# KiCad board PA26-1.kicad_pcb
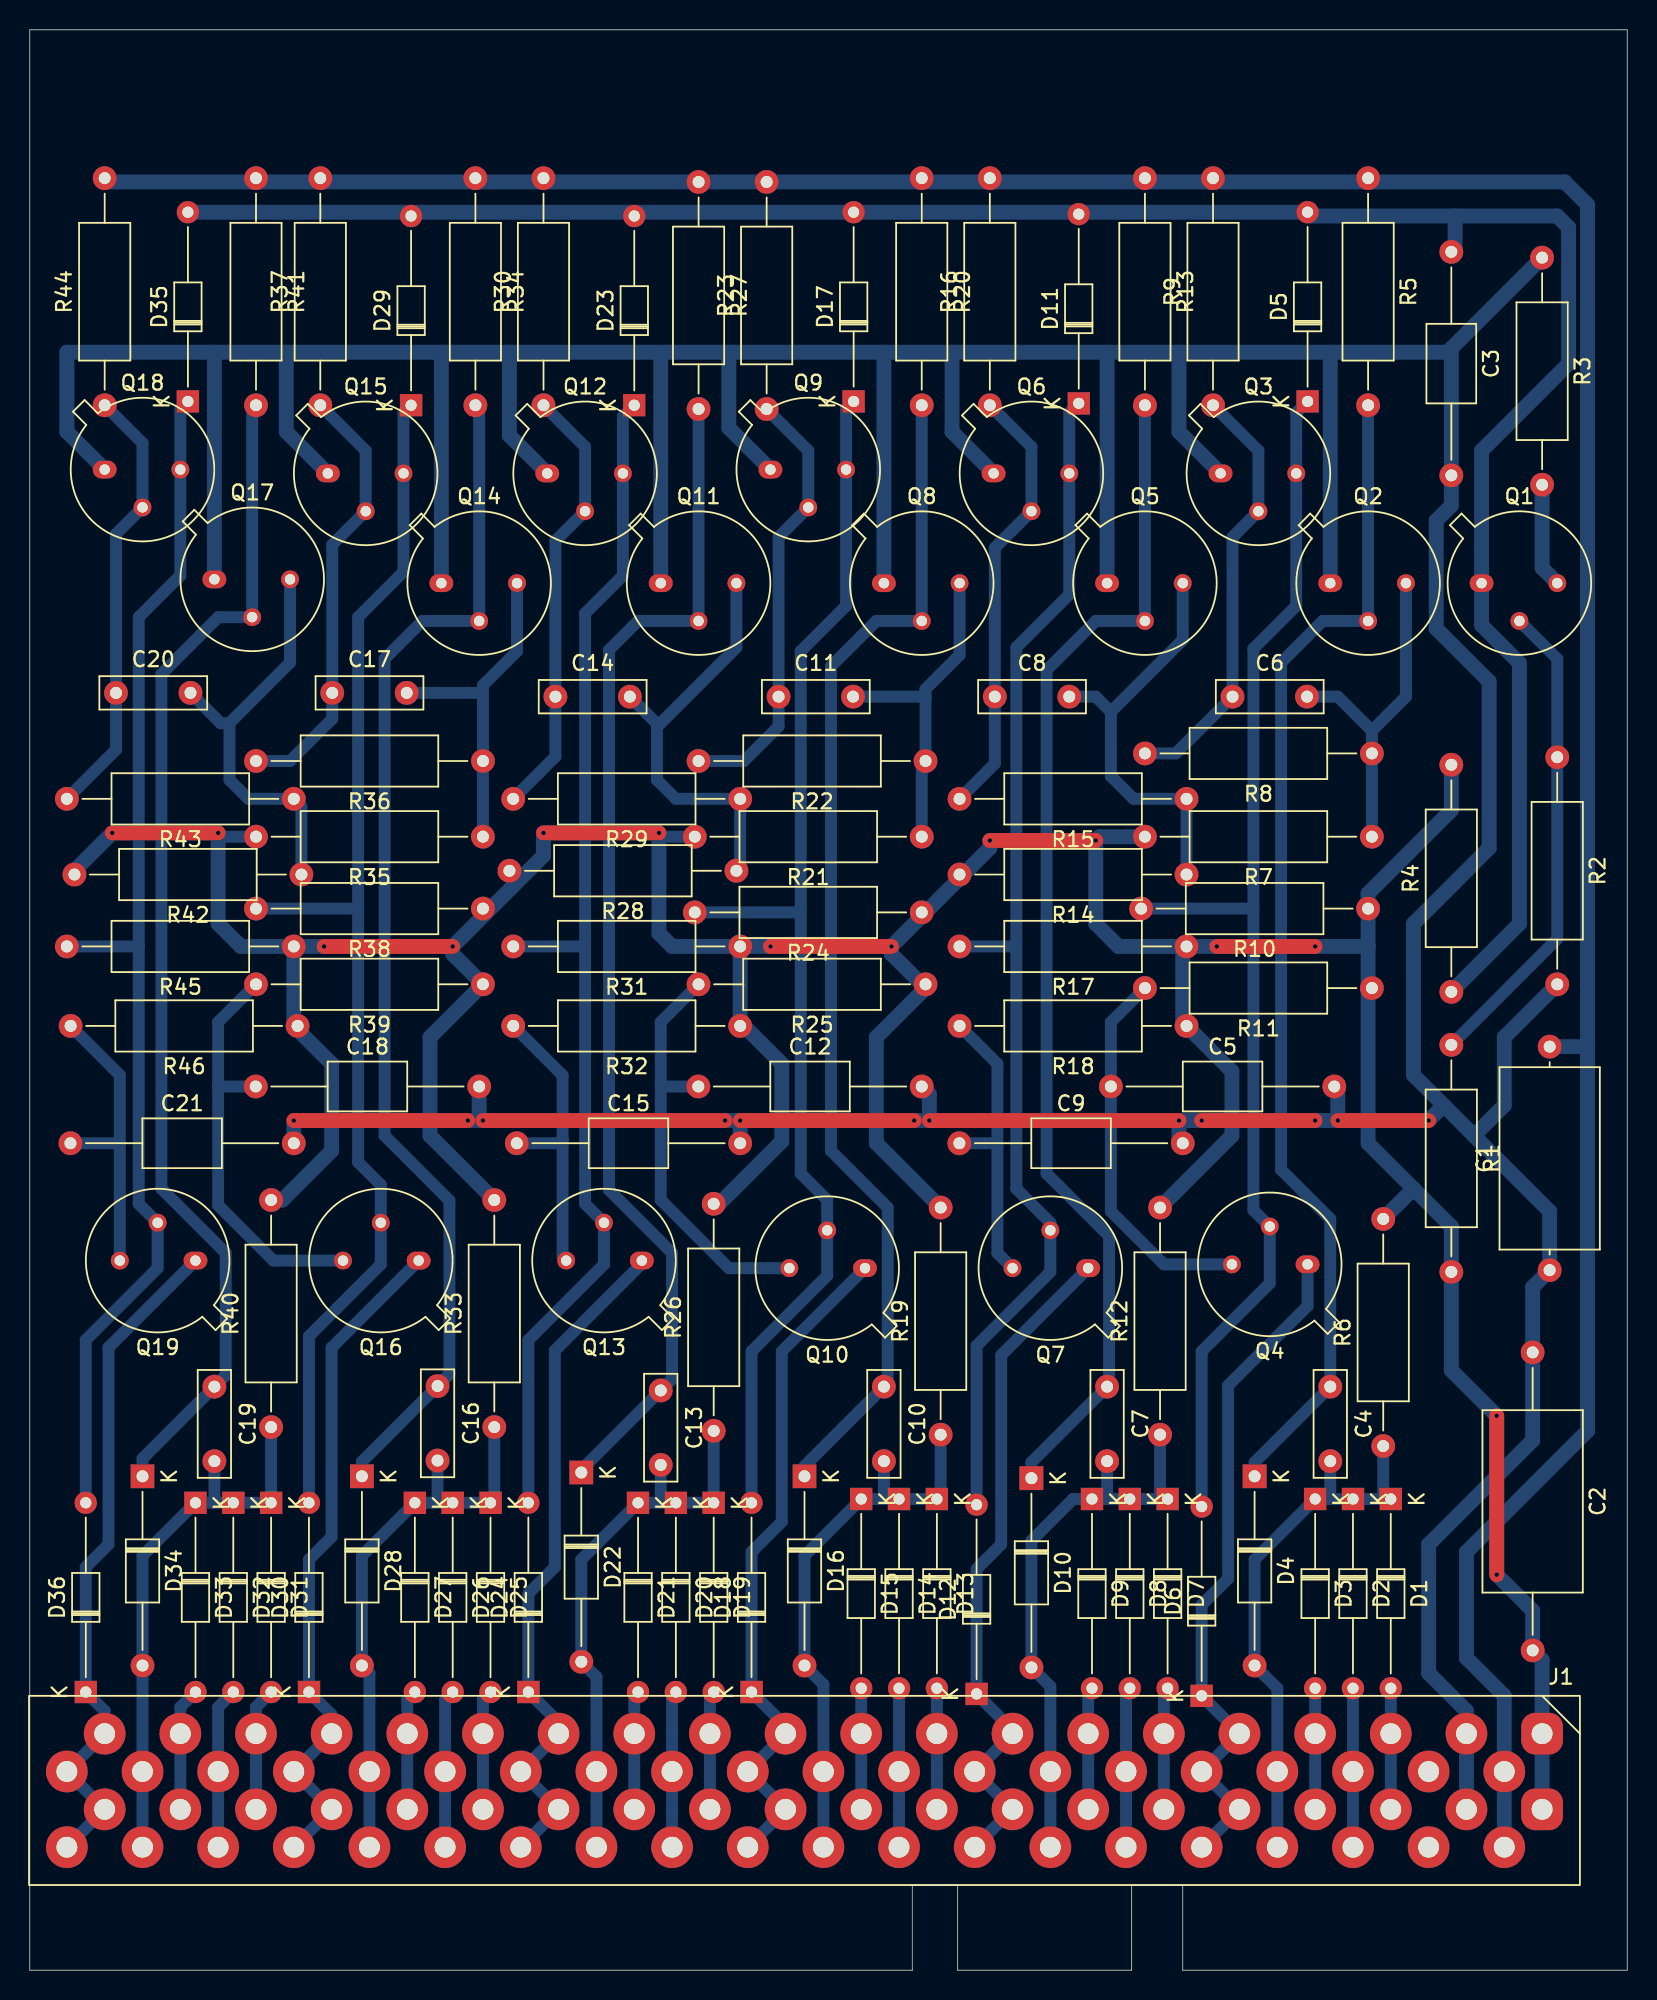
[diagram p0: board, top side]
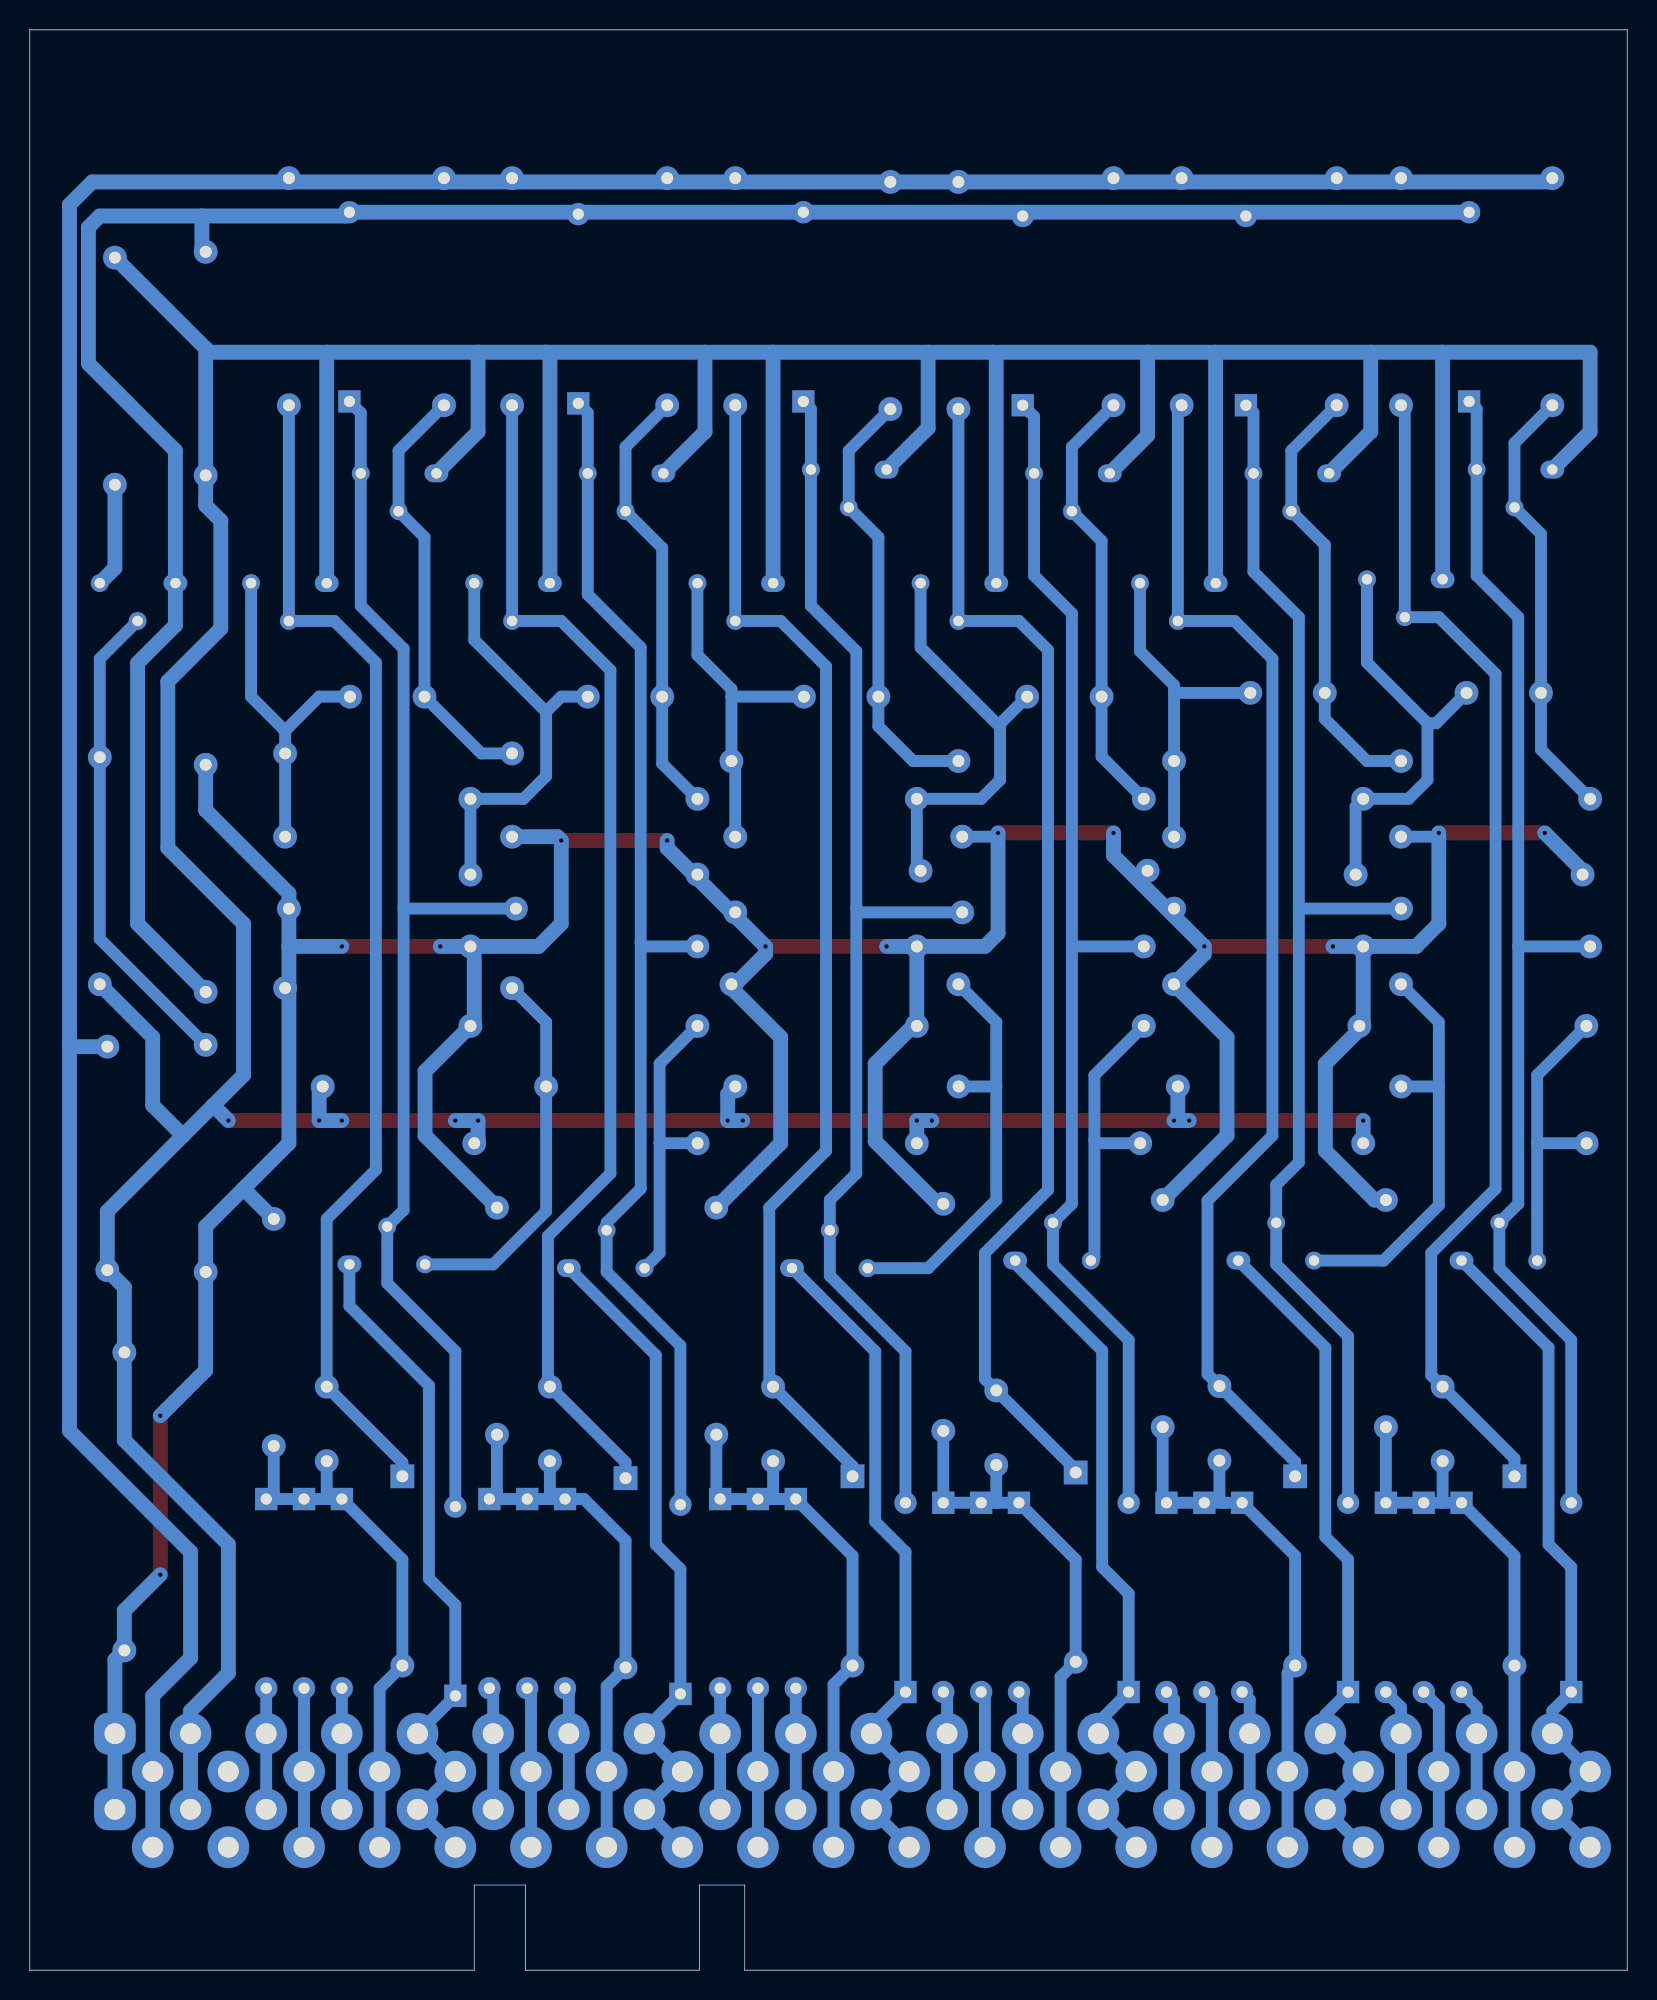
[diagram p1: board, bottom side, seen from below]

Outline 107.26 x 130.23 mm; copper layers: Top, Bottom. Coordinates in mm from the lower left corner of the outline.
Outline path: 0,130.23 107.26,130.23 107.26,0 77.42,0 77.42,5.71 73.99,5.71 73.99,0 62.31,0 62.31,5.71 59.26,5.71 59.26,0 0,0 0,130.23

## Placement (name value [footprint] x y rotation side)
C1  0.01u  [C_Axial_L12.0mm_D6.5mm_P15.00mm_Horizontal]  102.06 46.98 90 top
C2  C  [C_Axial_L12.0mm_D6.5mm_P20.00mm_Horizontal]  100.91 41.46 270 top
C3  0.01u  [C_Axial_L5.1mm_D3.1mm_P15.00mm_Horizontal]  95.45 115.32 270 top
C4  75p  [C_Rect_L7.0mm_W2.0mm_P5.00mm]  87.33 39.16 270 top
C5  0.01u  [C_Axial_L5.1mm_D3.1mm_P15.00mm_Horizontal]  72.59 59.31 0 top
C6  75p  [C_Rect_L7.0mm_W2.0mm_P5.00mm]  80.76 85.47 0 top
C7  75p  [C_Rect_L7.0mm_W2.0mm_P5.00mm]  72.34 39.16 270 top
C8  75p  [C_Rect_L7.0mm_W2.0mm_P5.00mm]  64.8 85.47 0 top
C9  0.01u  [C_Axial_L5.1mm_D3.1mm_P15.00mm_Horizontal]  62.42 55.5 0 top
C10  75p  [C_Rect_L7.0mm_W2.0mm_P5.00mm]  57.35 39.16 270 top
C11  75p  [C_Rect_L7.0mm_W2.0mm_P5.00mm]  50.28 85.47 0 top
C12  0.01u  [C_Axial_L5.1mm_D3.1mm_P15.00mm_Horizontal]  44.89 59.31 0 top
C13  75p  [C_Rect_L7.0mm_W2.0mm_P5.00mm]  42.37 38.91 270 top
C14  75p  [C_Rect_L7.0mm_W2.0mm_P5.00mm]  35.3 85.47 0 top
C15  0.01u  [C_Axial_L5.1mm_D3.1mm_P15.00mm_Horizontal]  32.7 55.5 0 top
C16  75p  [C_Rect_L7.0mm_W2.0mm_P5.00mm]  27.38 39.2 270 top
C17  75p  [C_Rect_L7.0mm_W2.0mm_P5.00mm]  20.31 85.72 0 top
C18  0.01u  [C_Axial_L5.1mm_D3.1mm_P15.00mm_Horizontal]  15.18 59.31 0 top
C19  75p  [C_Rect_L7.0mm_W2.0mm_P5.00mm]  12.4 39.16 270 top
C20  75p  [C_Rect_L7.0mm_W2.0mm_P5.00mm]  5.79 85.72 0 top
C21  0.01u  [C_Axial_L5.1mm_D3.1mm_P15.00mm_Horizontal]  2.73 55.5 0 top
D1  GER  [D_DO-34_SOD68_P12.70mm_Horizontal]  91.39 31.62 270 top
D2  GER  [D_DO-34_SOD68_P12.70mm_Horizontal]  88.85 31.62 270 top
D3  GER  [D_DO-34_SOD68_P12.70mm_Horizontal]  86.31 31.62 270 top
D4  ZEN  [D_DO-35_SOD27_P12.70mm_Horizontal]  82.25 33.15 270 top
D5  GER  [D_DO-34_SOD68_P12.70mm_Horizontal]  85.8 105.28 90 top
D6  GER  [D_DO-34_SOD68_P12.70mm_Horizontal]  78.69 18.41 90 top
D7  GER  [D_DO-34_SOD68_P12.70mm_Horizontal]  76.4 31.62 270 top
D8  GER  [D_DO-34_SOD68_P12.70mm_Horizontal]  73.86 31.62 270 top
D9  GER  [D_DO-34_SOD68_P12.70mm_Horizontal]  71.32 31.62 270 top
D10  ZEN  [D_DO-35_SOD27_P12.70mm_Horizontal]  67.26 33.02 270 top
D11  GER  [D_DO-34_SOD68_P12.70mm_Horizontal]  70.43 105.16 90 top
D12  GER  [D_DO-34_SOD68_P12.70mm_Horizontal]  63.58 18.54 90 top
D13  GER  [D_DO-34_SOD68_P12.70mm_Horizontal]  60.91 31.62 270 top
D14  GER  [D_DO-34_SOD68_P12.70mm_Horizontal]  58.37 31.62 270 top
D15  GER  [D_DO-34_SOD68_P12.70mm_Horizontal]  55.83 31.62 270 top
D16  ZEN  [D_DO-35_SOD27_P12.70mm_Horizontal]  52.02 33.15 270 top
D17  GER  [D_DO-34_SOD68_P12.70mm_Horizontal]  55.32 105.28 90 top
D18  GER  [D_DO-34_SOD68_P12.70mm_Horizontal]  48.46 18.67 90 top
D19  GER  [D_DO-34_SOD68_P12.70mm_Horizontal]  45.92 31.37 270 top
D20  GER  [D_DO-34_SOD68_P12.70mm_Horizontal]  43.38 31.37 270 top
D21  GER  [D_DO-34_SOD68_P12.70mm_Horizontal]  40.84 31.37 270 top
D22  ZEN  [D_DO-35_SOD27_P12.70mm_Horizontal]  37.03 33.4 270 top
D23  GER  [D_DO-34_SOD68_P12.70mm_Horizontal]  40.59 105.03 90 top
D24  GER  [D_DO-34_SOD68_P12.70mm_Horizontal]  33.48 18.67 90 top
D25  GER  [D_DO-34_SOD68_P12.70mm_Horizontal]  30.94 31.37 270 top
D26  GER  [D_DO-34_SOD68_P12.70mm_Horizontal]  28.4 31.37 270 top
D27  GER  [D_DO-34_SOD68_P12.70mm_Horizontal]  25.86 31.37 270 top
D28  ZEN  [D_DO-35_SOD27_P12.70mm_Horizontal]  22.3 33.15 270 top
D29  GER  [D_DO-34_SOD68_P12.70mm_Horizontal]  25.6 105.03 90 top
D30  GER  [D_DO-34_SOD68_P12.70mm_Horizontal]  18.75 18.67 90 top
D31  GER  [D_DO-34_SOD68_P12.70mm_Horizontal]  16.21 31.37 270 top
D32  GER  [D_DO-34_SOD68_P12.70mm_Horizontal]  13.67 31.37 270 top
D33  GER  [D_DO-34_SOD68_P12.70mm_Horizontal]  11.13 31.37 270 top
D34  ZEN  [D_DO-35_SOD27_P12.70mm_Horizontal]  7.57 33.15 270 top
D35  GER  [D_DO-34_SOD68_P12.70mm_Horizontal]  10.62 105.28 90 top
D36  GER  [D_DO-34_SOD68_P12.70mm_Horizontal]  3.76 18.67 90 top
J1  Conn_01x40  [ELCO 40]  101.55 15.88 0 top
Q1  2N1304  [TO-5-3]  97.49 93.09 0 top
Q2  PNP_G  [TO-5-3]  87.33 93.09 0 top
Q3  NPN?  [TO-5-3]  79.96 100.46 0 top
Q4  NPN?  [TO-5-3]  85.8 47.37 180 top
Q5  PNP_G  [TO-5-3]  72.34 93.09 0 top
Q6  NPN?  [TO-5-3]  64.72 100.46 0 top
Q7  NPN?  [TO-5-3]  71.07 47.12 180 top
Q8  PNP_G  [TO-5-3]  57.35 93.09 0 top
Q9  NPN?  [TO-5-3]  49.73 100.71 0 top
Q10  NPN?  [TO-5-3]  56.08 47.12 180 top
Q11  PNP_G  [TO-5-3]  42.37 93.09 0 top
Q12  NPN?  [TO-5-3]  34.75 100.46 0 top
Q13  NPN?  [TO-5-3]  41.1 47.62 180 top
Q14  PNP_G  [TO-5-3]  27.64 93.09 0 top
Q15  NPN?  [TO-5-3]  20.02 100.46 0 top
Q16  NPN?  [TO-5-3]  26.11 47.62 180 top
Q17  PNP_G  [TO-5-3]  12.4 93.34 0 top
Q18  NPN?  [TO-5-3]  5.03 100.71 0 top
Q19  NPN?  [TO-5-3]  11.13 47.62 180 top
R1  1k  [R_Axial_DIN0309_L9.0mm_D3.2mm_P15.24mm_Horizontal]  95.45 62.1 270 top
R2  3.3k  [R_Axial_DIN0309_L9.0mm_D3.2mm_P15.24mm_Horizontal]  102.57 81.41 270 top
R3  330  [R_Axial_DIN0309_L9.0mm_D3.2mm_P15.24mm_Horizontal]  101.55 114.93 270 top
R4  39k  [R_Axial_DIN0309_L9.0mm_D3.2mm_P15.24mm_Horizontal]  95.45 65.66 90 top
R5  39k  [R_Axial_DIN0309_L9.0mm_D3.2mm_P15.24mm_Horizontal]  89.87 120.27 270 top
R6  5.1k  [R_Axial_DIN0309_L9.0mm_D3.2mm_P15.24mm_Horizontal]  90.88 35.18 90 top
R7  3k  [R_Axial_DIN0309_L9.0mm_D3.2mm_P15.24mm_Horizontal]  90.12 76.07 180 top
R8  1k  [R_Axial_DIN0309_L9.0mm_D3.2mm_P15.24mm_Horizontal]  90.12 81.66 180 top
R9  10k  [R_Axial_DIN0309_L9.0mm_D3.2mm_P15.24mm_Horizontal]  79.45 105.03 90 top
R10  1k  [R_Axial_DIN0309_L9.0mm_D3.2mm_P15.24mm_Horizontal]  89.87 71.25 180 top
R11  22  [R_Axial_DIN0309_L9.0mm_D3.2mm_P15.24mm_Horizontal]  90.12 65.91 180 top
R12  5.1k  [R_Axial_DIN0309_L9.0mm_D3.2mm_P15.24mm_Horizontal]  75.9 35.94 90 top
R13  39k  [R_Axial_DIN0309_L9.0mm_D3.2mm_P15.24mm_Horizontal]  74.88 120.27 270 top
R14  3k  [R_Axial_DIN0309_L9.0mm_D3.2mm_P15.24mm_Horizontal]  77.67 73.53 180 top
R15  1k  [R_Axial_DIN0309_L9.0mm_D3.2mm_P15.24mm_Horizontal]  77.67 78.61 180 top
R16  10k  [R_Axial_DIN0309_L9.0mm_D3.2mm_P15.24mm_Horizontal]  64.47 105.03 90 top
R17  1k  [R_Axial_DIN0309_L9.0mm_D3.2mm_P15.24mm_Horizontal]  77.67 68.71 180 top
R18  22  [R_Axial_DIN0309_L9.0mm_D3.2mm_P15.24mm_Horizontal]  77.67 63.37 180 top
R19  5.1k  [R_Axial_DIN0309_L9.0mm_D3.2mm_P15.24mm_Horizontal]  61.16 35.94 90 top
R20  39k  [R_Axial_DIN0309_L9.0mm_D3.2mm_P15.24mm_Horizontal]  59.89 120.27 270 top
R21  3k  [R_Axial_DIN0309_L9.0mm_D3.2mm_P15.24mm_Horizontal]  59.89 76.07 180 top
R22  1k  [R_Axial_DIN0309_L9.0mm_D3.2mm_P15.24mm_Horizontal]  60.15 81.15 180 top
R23  10k  [R_Axial_DIN0309_L9.0mm_D3.2mm_P15.24mm_Horizontal]  49.48 104.77 90 top
R24  1k  [R_Axial_DIN0309_L9.0mm_D3.2mm_P15.24mm_Horizontal]  59.89 70.99 180 top
R25  22  [R_Axial_DIN0309_L9.0mm_D3.2mm_P15.24mm_Horizontal]  60.15 66.17 180 top
R26  5.1k  [R_Axial_DIN0309_L9.0mm_D3.2mm_P15.24mm_Horizontal]  45.92 36.19 90 top
R27  39k  [R_Axial_DIN0309_L9.0mm_D3.2mm_P15.24mm_Horizontal]  44.91 120.01 270 top
R28  3k  [R_Axial_DIN0309_L9.0mm_D3.2mm_P15.24mm_Horizontal]  47.45 73.79 180 top
R29  1k  [R_Axial_DIN0309_L9.0mm_D3.2mm_P15.24mm_Horizontal]  47.7 78.61 180 top
R30  10k  [R_Axial_DIN0309_L9.0mm_D3.2mm_P15.24mm_Horizontal]  34.49 105.03 90 top
R31  1k  [R_Axial_DIN0309_L9.0mm_D3.2mm_P15.24mm_Horizontal]  47.7 68.71 180 top
R32  22  [R_Axial_DIN0309_L9.0mm_D3.2mm_P15.24mm_Horizontal]  47.7 63.37 180 top
R33  5.1k  [R_Axial_DIN0309_L9.0mm_D3.2mm_P15.24mm_Horizontal]  31.19 36.45 90 top
R34  39k  [R_Axial_DIN0309_L9.0mm_D3.2mm_P15.24mm_Horizontal]  29.92 120.27 270 top
R35  3k  [R_Axial_DIN0309_L9.0mm_D3.2mm_P15.24mm_Horizontal]  30.43 76.07 180 top
R36  1k  [R_Axial_DIN0309_L9.0mm_D3.2mm_P15.24mm_Horizontal]  30.43 81.15 180 top
R37  10k  [R_Axial_DIN0309_L9.0mm_D3.2mm_P15.24mm_Horizontal]  19.51 105.03 90 top
R38  1k  [R_Axial_DIN0309_L9.0mm_D3.2mm_P15.24mm_Horizontal]  30.43 71.25 180 top
R39  22  [R_Axial_DIN0309_L9.0mm_D3.2mm_P15.24mm_Horizontal]  30.43 66.17 180 top
R40  5.1k  [R_Axial_DIN0309_L9.0mm_D3.2mm_P15.24mm_Horizontal]  16.21 36.45 90 top
R41  39k  [R_Axial_DIN0309_L9.0mm_D3.2mm_P15.24mm_Horizontal]  15.19 120.27 270 top
R42  3k  [R_Axial_DIN0309_L9.0mm_D3.2mm_P15.24mm_Horizontal]  18.24 73.53 180 top
R43  1k  [R_Axial_DIN0309_L9.0mm_D3.2mm_P15.24mm_Horizontal]  17.73 78.61 180 top
R44  10k  [R_Axial_DIN0309_L9.0mm_D3.2mm_P15.24mm_Horizontal]  5.03 105.03 90 top
R45  1k  [R_Axial_DIN0309_L9.0mm_D3.2mm_P15.24mm_Horizontal]  17.73 68.71 180 top
R46  22  [R_Axial_DIN0309_L9.0mm_D3.2mm_P15.24mm_Horizontal]  17.98 63.37 180 top

## Library data of the parts
C1-C21 = -: Description: Unpolarized capacitor; ki_fp_filters: C_*
D1-D3 D5-D9 D11-D15 D17-D21 D23-D27 D29-D33 D35 D36 = -: Datasheet: https://assets.nexperia.com/documents/data-sheet/1N4148_1N4448.pdf; Description: 100V 0.15A standard switching diode, DO-35; Sim.Device: D; Sim.Pins: 1=K 2=A; ki_fp_filters: D*DO?35*
D4 D10 D16 D22 D28 D34 = -: Description: Zener diode; ki_fp_filters: TO-???* *_Diode_* *SingleDiode* D_*
J1 = -: Description: Generic connector, single row, 01x40, script generated (kicad-library-utils/schlib/autogen/connector/); ki_fp_filters: Connector*:*_1x??_*
Q1 = -: Description: NPN transistor, emitter/base/collector
Q2 Q5 Q8 Q11 Q14 Q17 = -: Description: PNP transistor, emitter/base/collector
Q3 Q4 Q6 Q7 Q9 Q10 Q12 Q13 Q15 Q16 Q18 Q19 = -: Description: NPN transistor, collector/base/emitter
R1-R46 = -: Description: Resistor; ki_fp_filters: R_*

## Footprints (pads in the part's own frame, mm; a bottom-side part is the same pattern mirrored in y, then rotated)
C_Axial_L5.1mm_D3.1mm_P15.00mm_Horizontal
  round 1.6 hole 0.8: 1(0,0) 2(15,0)
C_Axial_L12.0mm_D6.5mm_P15.00mm_Horizontal
  round 1.6 hole 0.8: 1(0,0) 2(15,0)
C_Axial_L12.0mm_D6.5mm_P20.00mm_Horizontal
  round 1.6 hole 0.8: 1(0,0) 2(20,0)
C_Rect_L7.0mm_W2.0mm_P5.00mm
  round 1.6 hole 0.8: 1(0,0) 2(5,0)
D_DO-34_SOD68_P12.70mm_Horizontal
  rect 1.5x1.5 hole 0.75: 1(0,0)
  oval 1.5x1.5 hole 0.75: 2(12.7,0)
D_DO-35_SOD27_P12.70mm_Horizontal
  rect 1.6x1.6 hole 0.8: 1(0,0)
  oval 1.6x1.6 hole 0.8: 2(12.7,0)
ELCO 40
  rrect 2.8x2.8 hole 1.4: 1(0,0) 1(0,-5.08)
  round 2.8 hole 1.4: 2(-2.54,-2.54) 2(-2.54,-7.62) 3(-5.08,0) 3(-5.08,-5.08) 4(-7.62,-2.54) 4(-7.62,-7.62) 5(-10.16,0) 5(-10.16,-5.08) 6(-12.7,-2.54) 6(-12.7,-7.62) 7(-15.24,0) 7(-15.24,-5.08) 8(-17.78,-2.54) 8(-17.78,-7.62) 9(-20.32,0) 9(-20.32,-5.08) 10(-22.86,-2.54) 10(-22.86,-7.62) 11(-25.4,0) 11(-25.4,-5.08) 12(-27.94,-2.54) 12(-27.94,-7.62) 13(-30.48,0) 13(-30.48,-5.08) 14(-33.02,-2.54) 14(-33.02,-7.62) 15(-35.56,0) 15(-35.56,-5.08) 16(-38.1,-2.54) 16(-38.1,-7.62) 17(-40.64,0) 17(-40.64,-5.08) 18(-43.18,-2.54) 18(-43.18,-7.62) 19(-45.72,0) 19(-45.72,-5.08) 20(-48.26,-2.54) 20(-48.26,-7.62) 21(-50.8,0) 21(-50.8,-5.08) 22(-53.34,-2.54) 22(-53.34,-7.62) 23(-55.88,0) 23(-55.88,-5.08) 24(-58.42,-2.54) 24(-58.42,-7.62) 25(-60.96,0) 25(-60.96,-5.08) 26(-63.5,-2.54) 26(-63.5,-7.62) 27(-66.04,0) 27(-66.04,-5.08) 28(-68.58,-2.54) 28(-68.58,-7.62) 29(-71.12,0) 29(-71.12,-5.08) 30(-73.66,-2.54) 30(-73.66,-7.62) 31(-76.2,0) 31(-76.2,-5.08) 32(-78.74,-2.54) 32(-78.74,-7.62) 33(-81.28,0) 33(-81.28,-5.08) 34(-83.82,-2.54) 34(-83.82,-7.62) 35(-86.36,0) 35(-86.36,-5.08) 36(-88.9,-2.54) 36(-88.9,-7.62) 37(-91.44,0) 37(-91.44,-5.08) 38(-93.98,-2.54) 38(-93.98,-7.62) 39(-96.52,0) 39(-96.52,-5.08) 40(-99.06,-2.54) 40(-99.06,-7.62)
R_Axial_DIN0309_L9.0mm_D3.2mm_P15.24mm_Horizontal
  round 1.6 hole 0.8: 1(0,0)
  oval 1.6x1.6 hole 0.8: 2(15.24,0)
TO-5-3
  oval 1.6x1.2 hole 0.7: 1(0,0)
  round 1.2 hole 0.7: 2(2.54,-2.54) 3(5.08,0)

## Nets
+6V: C1.2 J1.2 R5.1 R9.2 R13.1 R16.2 R20.1 R23.2 R27.1 R30.2 R34.1 R37.2 R41.1 R44.2
-9V: C3.1 D5.2 D11.2 D17.2 D23.2 D29.2 D35.2 Q1.1 R4.1
-12V: C2.2 J1.1 R1.2 R4.2 R6.2 R7.2 R10.1 R11.1 R12.2 R14.2 R17.1 R18.1 R19.2 R21.2 R24.1 R25.1 R26.2 R28.2 R31.1 R32.1 R33.2 R35.2 R38.1 R39.1 R40.2 R42.2 R45.1 R46.1
/-9.1V: Q1.2 R1.1 R2.1
GND: C1.1 C2.1 C3.2 C5.2 C9.2 C12.2 C15.2 C18.2 C21.2 J1.3 Q2.1 Q3.1 Q5.1 Q6.1 Q8.1 Q9.1 Q11.1 Q12.1 Q14.1 Q15.1 Q17.1 Q18.1 R2.2 R3.1
P5: D1.2 J1.5
P6: D2.2 J1.6
P7: D3.2 J1.7
P8: C4.2 D1.1 D2.1 D3.1 D4.2 J1.8 R6.1
P9,10: D6.1 J1.9 J1.10 Q4.1
P11: D7.2 J1.11
P12: D8.2 J1.12
P13: D9.2 J1.13
P14: C7.2 D7.1 D8.1 D9.1 D10.2 J1.14 R12.1
P15,16: D12.1 J1.15 J1.16 Q7.1
P17: D13.2 J1.17
P18: D14.2 J1.18
P19: D15.2 J1.19
P20: C10.2 D13.1 D14.1 D15.1 D16.2 J1.20 R19.1
P21,22: D18.1 J1.21 J1.22 Q10.1
P23: D19.2 J1.23
P24: D20.2 J1.24
P25: D21.2 J1.25
P26: C13.2 D19.1 D20.1 D21.1 D22.2 J1.26 R26.1
P27,28: D24.1 J1.27 J1.28 Q13.1
P29: D25.2 J1.29
P30: D26.2 J1.30
P31: D27.2 J1.31
P32: C16.2 D25.1 D26.1 D27.1 D28.2 J1.32 R33.1
P33,34: D30.1 J1.33 J1.34 Q16.1
P35: D31.2 J1.35
P36: D32.2 J1.36
P37: D33.2 J1.37
P38: C19.2 D31.1 D32.1 D33.1 D34.2 J1.38 R40.1
P39,40: D36.1 J1.39 J1.40 Q19.1
Net-(D4-K): C4.1 D4.1 Q2.2 R5.2
Net-(D5-K): D5.1 D6.2 Q3.3 Q4.2 R10.2
Net-(D10-K): C7.1 D10.1 Q5.2 R13.2
Net-(D11-K): D11.1 D12.2 Q6.3 Q7.2 R17.2
Net-(D16-K): C10.1 D16.1 Q8.2 R20.2
Net-(D17-K): D17.1 D18.2 Q9.3 Q10.2 R24.2
Net-(D22-K): C13.1 D22.1 Q11.2 R27.2
Net-(D23-K): D23.1 D24.2 Q12.3 Q13.2 R31.2
Net-(D28-K): C16.1 D28.1 Q14.2 R34.2
Net-(D29-K): D29.1 D30.2 Q15.3 Q16.2 R38.2
Net-(D34-K): C19.1 D34.1 Q17.2 R41.2
Net-(D35-K): D35.1 D36.2 Q18.3 Q19.2 R45.2
Net-(Q1-C): Q1.3 R3.2
Net-(Q2-C): C6.2 Q2.3 R7.1 R8.1
Net-(Q3-B): C6.1 Q3.2 R8.2 R9.1
Net-(Q4-E): C5.1 Q4.3 R11.2
Net-(Q5-C): C8.2 Q5.3 R14.1 R15.1
Net-(Q6-B): C8.1 Q6.2 R15.2 R16.1
Net-(Q7-E): C9.1 Q7.3 R18.2
Net-(Q8-C): C11.2 Q8.3 R21.1 R22.1
Net-(Q9-B): C11.1 Q9.2 R22.2 R23.1
Net-(Q10-E): C12.1 Q10.3 R25.2
Net-(Q11-C): C14.2 Q11.3 R28.1 R29.1
Net-(Q12-B): C14.1 Q12.2 R29.2 R30.1
Net-(Q13-E): C15.1 Q13.3 R32.2
Net-(Q14-C): C17.2 Q14.3 R35.1 R36.1
Net-(Q15-B): C17.1 Q15.2 R36.2 R37.1
Net-(Q16-E): C18.1 Q16.3 R39.2
Net-(Q17-C): C20.2 Q17.3 R42.1 R43.1
Net-(Q18-B): C20.1 Q18.2 R43.2 R44.1
Net-(Q19-E): C21.1 Q19.3 R46.2

Pads without a net: J1 4

## Via types
v1: diameter 0.6, hole 0.3, Top to Bottom, 26 vias

## Routing (per net, layer and track width the routed paths; a pad name or vN(x,y) marks a point on that pad's centre or on a via; arc(x,y) is an arc through that point)
+6V: length 217.4
  Bottom w1: J1.2 J1.2 99.01,18.41 96.47,20.95 96.47,28.07 104.6,36.19 104.6,61.98 ; 104.6,61.98 104.6,118.49 103.07,120.01 5.03,120.01 ; 104.6,61.98 C1.2
-9V: length 152.1
  Bottom w1: C3.1 95.71,115.58 95.71,117.73 ; R4.1 100.03,70.23 100.03,87.73 97.49,90.27 Q1.1 97.49,101.98 103.33,107.82 103.33,116.97 102.57,117.73 95.71,117.73 ; 95.71,117.73 86.06,117.73 D5.2 10.87,117.98
-12V: length 308.3
  Top w1: v1(71.58,75.82) v1(64.47,75.82) ; v1(12.65,76.33) v1(5.54,76.33) ; v1(86.31,68.71) v1(79.71,68.71) ; v1(28.4,68.71) v1(19.76,68.71) ; v1(98.5,37.21) v1(98.5,26.54) ; v1(57.86,68.71) v1(49.73,68.71) ; v1(34.49,76.33) v1(42.25,76.33)
  Bottom w0.8: R21.2 42.5,76.07 v1(42.25,76.33) ; R35.2 12.9,76.07 v1(12.65,76.33)
  Bottom w1: v1(98.5,26.54) 100.91,24.13 C2.2 101.55,20.83 J1.1 J1.1 ; v1(34.49,76.33) 34.49,74.8 v1(28.4,68.71) 28.4,68.2 R39.1 26.87,62.61 26.87,56.01 R33.2 ; v1(19.76,68.71) R45.1 ; R45.1 14.17,68.71 12.65,70.23 v1(12.65,76.33) ; R45.1 17.73,63.37 20.27,60.83 20.27,54.99 16.97,51.69 R40.2 ; R7.2 71.83,76.07 v1(71.58,75.82) 71.58,70.23 73.1,68.71 77.42,68.71 ; 89.87,68.71 89.87,72.26 95.45,77.85 R4.2 ; 89.87,68.71 89.87,55.5 92.91,52.45 ; 89.87,68.71 v1(86.31,68.71) ; 92.91,52.45 95.45,49.91 R1.2 95.45,40.26 v1(98.5,37.21) ; 92.91,52.45 R6.2 ; v1(64.47,75.82) 64.47,75.31 v1(57.86,68.71) 57.86,68.2 60.15,65.91 56.85,62.61 56.85,55.5 R19.2 ; R26.2 46.3,51.43 50.5,55.63 50.5,60.83 47.7,63.63 R31.1 ; R31.1 43.13,68.71 42.25,69.59 v1(42.25,76.33) ; R31.1 v1(49.73,68.71) ; v1(79.71,68.71) 77.42,68.71 ; 77.42,68.71 77.42,63.63 80.72,60.32 80.72,56.01 R12.2 ; v1(5.54,76.33) 3,73.79
/-9.1V: length 32.4
  Bottom w0.8: R1.1 102.57,69.21 R2.1 102.57,88.01 Q1.2
GND: length 461.9
  Top w1: v1(46.69,57.02) v1(30.43,57.02) ; v1(77.17,57.02) v1(60.4,57.02) ; v1(86.31,57.02) v1(78.69,57.02) ; v1(93.93,57.02) v1(87.83,57.02) ; v1(29.41,57.02) v1(17.73,57.02) ; v1(59.39,57.02) v1(47.7,57.02)
  Bottom w1: Q14.1 27.64,108.58 ; 27.64,108.58 17.22,108.58 ; 27.64,108.58 32.21,108.58 ; 46.94,108.58 46.94,103.5 Q9.1 ; 46.94,108.58 57.35,108.58 ; 46.94,108.58 42.62,108.58 ; 94.95,58.04 92.91,60.07 92.91,70.23 97.99,75.31 97.99,86.49 94.44,90.04 94.44,97.28 95.45,98.3 C3.2 95.45,108.84 ; 94.95,58.04 96.98,56.01 ; 94.95,58.04 v1(93.93,57.02) ; 42.62,108.58 32.21,108.58 ; 42.62,108.58 42.37,108.33 Q11.1 ; 32.21,108.58 32.21,103 Q12.1 ; 96.98,56.01 102.06,50.93 C1.1 100.91,45.84 C2.1 100.91,35.56 93.93,28.57 93.93,19.94 96.47,17.4 J1.3 J1.3 ; 96.98,56.01 99.01,58.04 99.01,62.61 R2.2 ; Q2.1 87.33,108.58 ; 87.33,108.58 95.2,108.58 95.45,108.84 ; 87.33,108.58 77.17,108.58 ; Q3.1 77.17,103.25 77.17,108.58 ; 77.17,108.58 72.59,108.58 ; 72.59,108.58 72.34,108.33 Q5.1 ; 72.59,108.58 61.93,108.58 ; v1(86.31,57.02) v1(87.83,57.02) 87.83,59.07 C5.2 ; 57.35,108.58 61.93,108.58 ; 57.35,108.58 Q8.1 ; v1(78.69,57.02) v1(77.17,57.02) 77.17,55.75 C9.2 ; Q17.1 12.4,108.58 ; 12.4,108.58 17.22,108.58 ; 12.4,108.58 2.49,108.58 2.49,103.25 Q18.1 ; 95.45,108.84 R3.1 ; 17.22,108.58 17.22,103.25 Q15.1 ; v1(46.69,57.02) v1(47.7,57.02) C15.2 ; Q6.1 61.93,103.25 61.93,108.58 ; v1(59.39,57.02) v1(60.4,57.02) 60.4,58.8 C12.2 ; v1(29.41,57.02) v1(30.43,57.02) 30.18,57.28 C18.2 ; v1(17.73,57.02) C21.2
P5: length 8.1
  Bottom w0.8: J1.5 D1.2
P6: length 10.7
  Bottom w0.8: J1.6 D2.2
P7: length 8.1
  Bottom w0.8: J1.7 D3.2
P8: length 37.1
  Bottom w0.8: J1.8 J1.8 83.77,18.92 D4.2 82.25,27.56 D3.1 87.33,31.62 ; C4.2 87.33,31.62 ; 87.33,31.62 D1.1 90.88,32.13 R6.1
P9,10: length 46.3
  Bottom w0.8: Q4.1 85.8,44.58 80.47,39.24 80.47,26.29 78.69,24.51 D6.1 J1.9 J1.10 J1.9 J1.10
P11: length 8.2
  Bottom w0.8: D7.2 76.15,18.67 J1.11
P12: length 10.8
  Bottom w0.8: D8.2 73.61,18.67 J1.12 J1.12
P13: length 8.2
  Bottom w0.8: J1.13 J1.13 71.07,18.67 D9.2
P14: length 38.5
  Bottom w0.8: J1.14 J1.14 68.53,19.05 D10.2 67.26,28.83 70.05,31.62 D9.1 72.34,31.62 ; 72.34,31.62 D8.1 D7.1 75.9,32.13 R12.1 ; 72.34,31.62 C7.2
P15,16: length 46.1
  Bottom w0.8: J1.16 J1.15 J1.16 J1.15 65.99,16.13 D12.1 63.58,26.92 65.23,28.57 65.23,41.27 Q7.1
P17: length 8.1
  Bottom w0.8: J1.17 J1.17 D13.2
P18: length 10.7
  Bottom w0.8: J1.18 J1.18 D14.2
P19: length 8.1
  Bottom w0.8: J1.19 J1.19 D15.2
P20: length 37.5
  Bottom w0.8: J1.20 J1.20 53.29,19.18 D16.2 52.02,27.81 D15.1 57.35,31.62 ; C10.2 57.35,31.62 ; 57.35,31.62 D13.1 61.16,31.88 R19.1
P21,22: length 46.1
  Bottom w0.8: J1.22 J1.21 J1.22 J1.21 50.75,16.38 D18.1 48.46,28.07 50.5,30.1 50.5,41.53 Q10.1
P23: length 8
  Bottom w0.8: J1.23 J1.23 45.67,18.41 D19.2
P24: length 10.5
  Bottom w0.8: D20.2 43.13,18.41 J1.24 J1.24
P25: length 8
  Bottom w0.8: J1.25 J1.25 40.59,18.41 D21.2
P26: length 37.6
  Bottom w0.8: 42.37,31.37 D19.1 R26.1 ; 42.37,31.37 D21.1 37.03,27.56 D22.2 38.05,19.69 J1.26 J1.26 ; 42.37,31.37 C13.2
P27,28: length 46.5
  Bottom w0.8: J1.28 J1.27 J1.28 J1.27 35.51,16.64 D24.1 33.48,25.27 35.26,27.05 35.26,41.58 41.1,47.42 Q13.1
P29: length 8.1
  Bottom w0.8: D25.2 30.43,18.16 J1.29 J1.29
P30: length 10.6
  Bottom w0.8: D26.2 27.89,18.16 J1.30 J1.30
P31: length 8.1
  Bottom w0.8: J1.31 J1.31 25.35,18.16 D27.2
P32: length 38
  Bottom w0.8: 27.13,31.37 27.38,31.62 C16.2 ; 27.13,31.37 D25.1 31.19,31.62 R33.1 ; 27.13,31.37 D27.1 22.3,27.81 D28.2 22.81,19.94 J1.32 J1.32
P33,34: length 46.2
  Bottom w0.8: Q16.1 20.27,41.78 20.27,29.08 18.75,27.56 D30.1 20.27,17.14 J1.33 J1.34 J1.33 J1.34
P35: length 8.3
  Bottom w0.8: D31.2 15.19,17.65 J1.35 J1.35
P36: length 10.8
  Bottom w0.8: D32.2 12.65,17.65 J1.36 J1.36
P37: length 8.3
  Bottom w0.8: D33.2 10.11,17.65 J1.37 J1.37
P38: length 37.5
  Bottom w0.8: 12.4,31.37 D31.1 R40.1 ; 12.4,31.37 C19.2 ; 12.4,31.37 D33.1 7.57,27.81 D34.2 J1.38 J1.38
P39,40: length 46.1
  Bottom w0.8: J1.40 J1.39 J1.40 J1.39 5.03,17.4 D36.1 3.76,27.05 5.28,28.57 5.28,41.78 Q19.1
Net-(D4-K): length 79.6
  Bottom w0.8: D4.1 82.25,34.08 C4.1 87.33,50.42 84.02,53.72 84.02,87.76 86.82,90.55 Q2.2 R5.2
Net-(D5-K): length 85.5
  Bottom w0.8: 82.08,71.25 82.16,71.33 82.16,88.69 85.04,91.57 Q3.3 85.04,104.52 D5.1 ; 82.08,71.25 R10.2 ; 82.08,71.25 82.16,71.16 82.16,51.01 Q4.2 83.26,46.1 78.69,41.53 D6.2
Net-(D10-K): length 80.6
  Bottom w0.8: R13.2 Q5.2 71.58,90.55 68.28,87.25 68.28,53.47 72.47,49.27 72.47,39.29 C7.1 67.26,34.08 D10.1
Net-(D11-K): length 82.6
  Bottom w0.8: D11.1 69.8,104.52 Q6.3 69.8,92.33 66.24,88.77 66.24,68.96 ; 66.24,68.96 65.99,68.71 R17.2 ; 66.24,68.96 66.24,52.45 68.53,50.16 Q7.2 68.53,46.86 63.58,41.91 D12.2
Net-(D16-K): length 80.1
  Bottom w0.8: R20.2 Q8.2 56.85,90.55 53.8,87.5 53.8,54.99 57.61,51.18 57.61,39.42 C10.1 52.02,33.83 D16.1
Net-(D17-K): length 85.4
  Bottom w0.8: 51.77,71.25 51.51,70.99 R24.2 ; 51.77,71.25 51.77,53.47 53.54,51.69 Q10.2 53.54,46.61 48.46,41.53 D18.2 ; 51.77,71.25 51.77,88.52 54.81,91.57 Q9.3 54.81,104.77 D17.1
Net-(D22-K): length 80.5
  Bottom w0.8: D22.1 37.03,33.57 C13.1 43.13,39.67 43.13,48.13 38.89,52.37 38.89,88.6 40.84,90.55 Q11.2 R27.2
Net-(D23-K): length 82.6
  Bottom w0.8: 37.29,68.96 37.03,68.71 R31.2 ; 37.29,68.96 37.29,91.06 39.83,93.6 Q12.3 39.83,104.27 D23.1 ; 37.29,68.96 37.29,51.43 Q13.2 38.56,47.37 33.48,42.29 D24.2
Net-(D28-K): length 81.1
  Bottom w0.8: R34.2 30.18,104.77 Q14.2 26.37,90.55 23.83,88.01 23.83,56.01 28.18,51.65 28.18,40 C16.1 22.3,34.12 D28.1
Net-(D29-K): length 84.6
  Bottom w0.8: D29.1 25.1,104.52 Q15.3 25.1,93.85 22.05,90.8 22.05,71.25 ; D30.2 18.75,42.54 23.57,47.37 Q16.2 23.57,52.7 22.05,54.23 22.05,71.25 ; 22.05,71.25 R38.2
Net-(D34-K): length 80
  Bottom w0.8: D34.1 7.57,34.34 C19.1 13.16,39.92 13.16,48.13 8.84,52.45 8.84,86.99 12.65,90.8 Q17.2 14.94,104.77 R41.2
Net-(D35-K): length 82.6
  Bottom w0.8: D36.2 3.76,42.29 8.59,47.12 Q19.2 7.32,51.43 7.32,68.71 ; R45.2 7.32,68.71 ; 7.32,68.71 7.32,90.8 10.11,93.6 Q18.3 10.11,104.77 D35.1
Net-(Q1-C): length 7
  Bottom w1: Q1.3 101.55,94.11 R3.2
Net-(Q2-C): length 23.3
  Bottom w0.8: 90.25,83.31 90.12,83.18 R7.1 ; 90.25,83.31 92.41,85.47 Q2.3 ; 90.25,83.31 89.99,83.31 87.83,85.47 C6.2
Net-(Q3-B): length 29
  Bottom w0.8: R8.2 76.95,81.66 C6.1 80.76,96.18 Q3.2 82.5,101.98 R9.1
Net-(Q4-E): length 25.5
  Bottom w0.8: Q4.3 76.15,47.37 72.59,50.93 C5.1 72.59,63.63 R11.2
Net-(Q5-C): length 29
  Bottom w0.8: 72.59,84.45 71.58,85.47 C8.2 ; 72.59,84.45 72.59,80.14 74.12,78.61 R15.1 R14.1 ; 72.59,84.45 77.42,89.28 Q5.3
Net-(Q6-B): length 29.6
  Bottom w0.8: R16.1 67.26,102.23 Q6.2 64.8,95.46 C8.1 64.8,80.98 R15.2
Net-(Q7-E): length 20.3
  Bottom w0.8: 64.97,55.5 64.97,60.83 R18.2 ; 64.97,55.5 C9.1 ; 64.97,55.5 64.97,48.13 Q7.3
Net-(Q8-C): length 22.9
  Bottom w0.8: C11.2 60.15,85.47 ; 60.15,85.47 R22.1 59.89,80.9 R21.1 ; 60.15,85.47 60.15,85.98 62.43,88.26 Q8.3
Net-(Q9-B): length 29.6
  Bottom w0.8: R22.2 47.96,81.15 50.28,83.48 C11.1 50.28,96.18 Q9.2 52.27,101.98 R23.1
Net-(Q10-E): length 28.6
  Bottom w0.8: 42.37,59.31 42.37,51.69 46.94,47.12 Q10.3 ; 42.37,59.31 42.37,63.63 R25.2 ; 42.37,59.31 C12.1
Net-(Q11-C): length 29.2
  Bottom w0.8: Q11.3 47.45,88.77 42.11,83.44 ; 42.11,83.44 42.11,83.65 C14.2 ; 42.11,83.44 42.11,79.88 43.38,78.61 R29.1 47.7,74.04 R28.1
Net-(Q12-B): length 29.6
  Bottom w0.8: R29.2 35.3,81.45 C14.1 35.3,95.92 Q12.2 37.29,102.23 R30.1
Net-(Q13-E): length 20.4
  Bottom w0.8: 35.78,55.75 35.78,60.06 R32.2 ; 35.78,55.75 35.52,55.5 C15.1 ; 35.78,55.75 35.78,47.86 Q13.3
Net-(Q14-C): length 23.1
  Bottom w0.8: R35.1 R36.1 30.43,85.72 ; 30.43,85.72 30.43,86.23 32.72,88.52 Q14.3 ; 30.43,85.72 C17.2
Net-(Q15-B): length 29.5
  Bottom w0.8: R36.2 17.48,81.15 20.31,83.99 C17.1 20.31,95.67 Q15.2 22.56,101.98 R37.1
Net-(Q16-E): length 28.3
  Bottom w0.8: C18.1 12.65,59.31 ; 12.65,59.31 12.65,51.33 16.36,47.62 Q16.3 ; 12.65,59.31 12.65,63.63 R39.2
Net-(Q17-C): length 28.7
  Bottom w0.8: 13.41,83.69 13.41,79.88 14.68,78.61 R43.1 18.24,78.1 R42.1 ; 13.41,83.69 17.48,87.76 Q17.3 ; 13.41,83.69 12.82,83.69 C20.2
Net-(Q18-B): length 29.6
  Bottom w0.8: R43.2 5.79,81.91 C20.1 5.79,96.39 Q18.2 7.57,102.49 R44.1
Net-(Q19-E): length 20.4
  Bottom w0.8: Q19.3 6.05,55.5 ; 6.05,55.5 6.05,60.07 R46.2 ; 6.05,55.5 C21.1
